# Altium PCB Testkit_v1.PcbDoc
Units mm, origin at the board's own origin, x right, y up, seen from the top; angles counter-clockwise.
Board outline 63 x 76 mm, 2 copper layers (Top Layer, Bottom Layer); 3 components, 28 nets, 206 pads, 68 vias.
Unrouted connection lines stored in the file: 22.
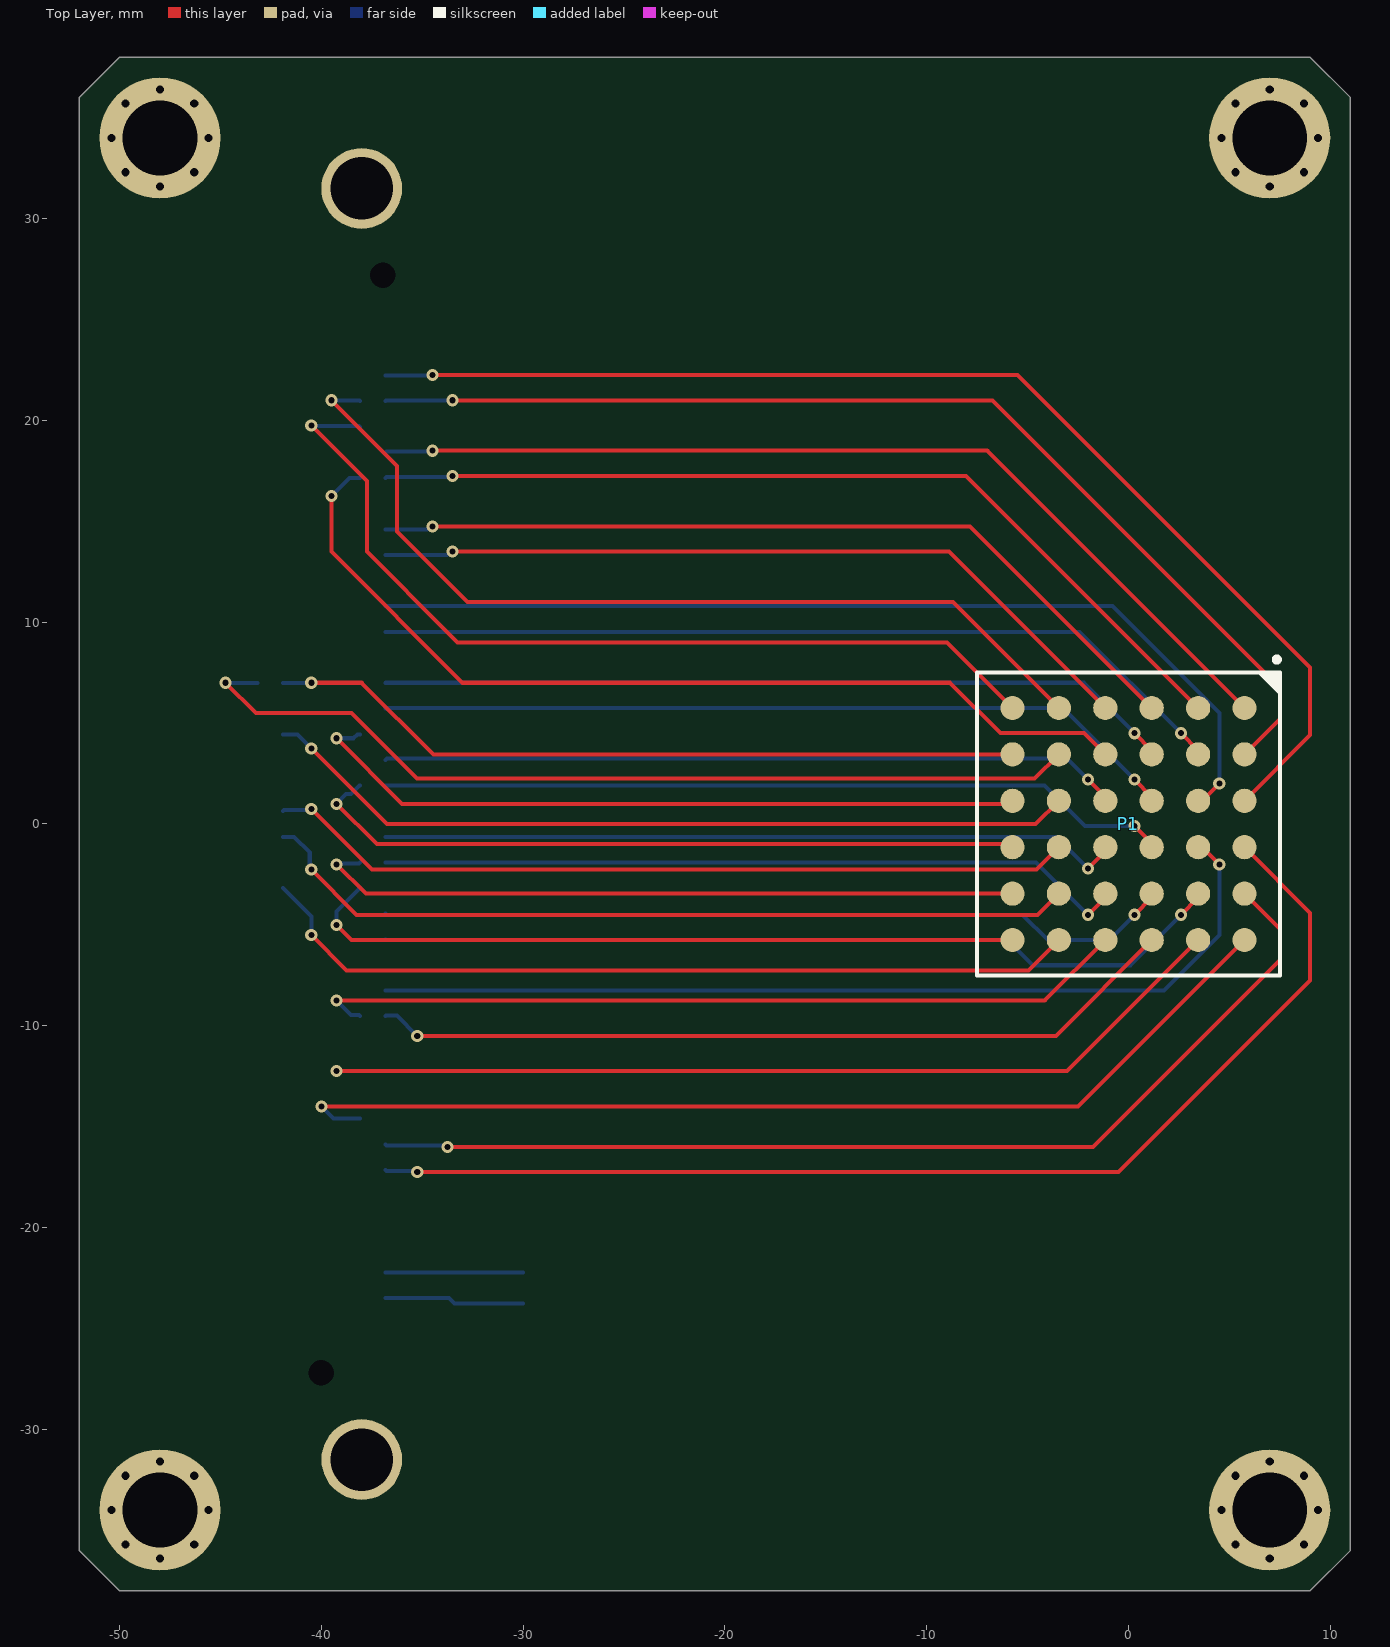
[diagram p0: Top Layer view]
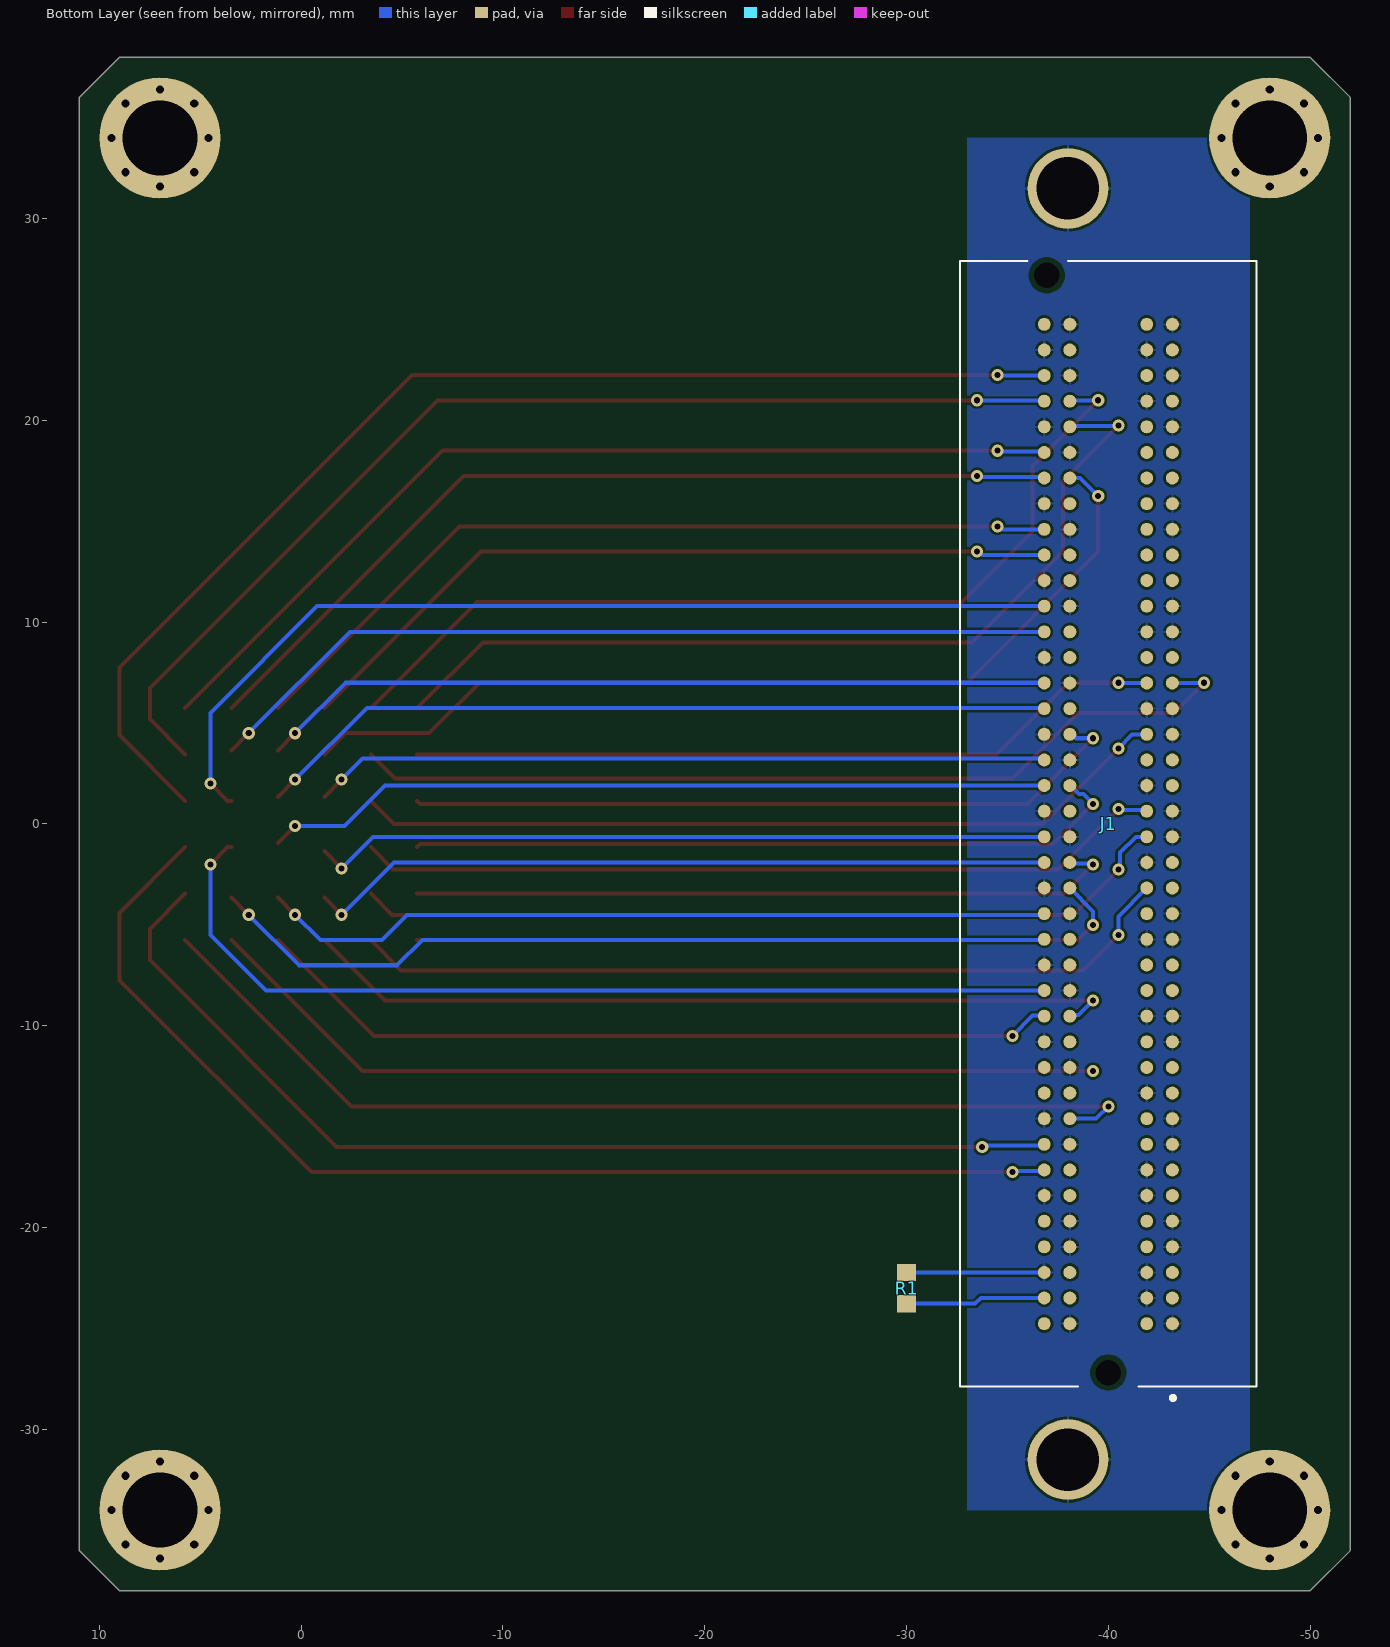
[diagram p1: Bottom Layer view, seen from below]

## Layer stack, top to bottom
Top Solder: solder mask 0.0102, Solder Resist, Dk 3.5
Top Layer: signal copper 0.0356
Dielectric 1: dielectric 0.32, FR-4, Dk 4.8
Bottom Layer: signal copper 0.0356
Bottom Solder: solder mask 0.0102, Solder Resist, Dk 3.5

## Board outline
-52,-36 -50,-38 9,-38 11,-36 11,28.5 11,36 9,38 -50,38 -52,36

## Design rules (kind name [scope] priority, off if disabled: settings)
BoardOutlineClearance [All] p1: gap=0.2 ignorepadtopadclearanceinfootprint=FALSE
Clearance [All] p1: gap=0.127 ignorepadtopadclearanceinfootprint=FALSE except(0.25: Arc-Hole Track-Hole SMDPad-Hole THPad-Hole Via-Hole Fill-Hole Poly-Hole Region-Hole Text-Hole)
ComponentClearance [All] p1: gap=0.127 collisioncheckmode=3 verticalgap=0.127 showdistances=TRUE
DiffPairsRouting [All] p1: maxlimit=0.254 minlimit=0.127 mostfreqgap=0.127 toplayer_minwidth=0.127 toplayer_maxwidth=25.4 toplayer_prefwidth=0.127 bottomlayer_minwidth=0.127 bottomlayer_maxwidth=25.4 bottomlayer_prefwidth=0.127 maxuncoupledlength=12.7
Height [All] p1: minheight=0 maxheight=1816.048 prefheight=12.7
HoleSize [All] p1: absolutevalues=TRUE maxlimit=6.3 minlimit=0.3 maxpercent=80.000 minpercent=20.000
HoleToHoleClearance [All] p1: gap=0.25 allowstackedmicrovias=FALSE
MinimumAnnularRing [All] p1: minimumring=0.076
MinimumSolderMaskSliver [All] p1: minsoldermaskwidth=0
PlaneClearance [All] p1: clearance=0.127
PlaneConnect PlaneConnectPowerPads [InPadClass('PowerPads')] p1: planeconnectstyle=Direct reliefexpansion=0.508 reliefentries=4 reliefconductorwidth=0.254 reliefairgap=0.254
PlaneConnect [All] p2: pad.planeconnectstyle=Relief pad.reliefexpansion=0.3 pad.reliefentries=4 pad.reliefconductorwidth=0.127 pad.reliefairgap=0.127 via.planeconnectstyle=Direct via.reliefexpansion=0.3 via.reliefentries=4 via.reliefconductorwidth=0.127 via.reliefairgap=0.127
PolygonConnect PolygonConnectPowerPads [All vs (InPadClass('PowerPads'))] p1: connectstyle=Direct reliefconductorwidth=0.254 reliefentries=4 polygonreliefangle="90 Angle" airgapwidth=0.254
PolygonConnect [All] p2: thpad.connectstyle=Relief thpad.reliefconductorwidth=0.127 thpad.reliefentries=4 thpad.polygonreliefangle="90 Angle" thpad.airgapwidth=0.127 smdpad.connectstyle=Relief smdpad.reliefconductorwidth=0.127 smdpad.reliefentries=4 smdpad.polygonreliefangle="90 Angle" smdpad.airgapwidth=0.127 via.connectstyle=Relief via.reliefconductorwidth=2 via.reliefentries=4 via.polygonreliefangle="90 Angle" via.airgapwidth=2
RoutingVias [All] p1: holewidth=0.3 width=0.6 viastyle="Through Hole" minholewidth=0.3 minwidth=0.6 maxholewidth=0.6 maxwidth=6.6
SilkToSilkClearance [All] p1: silktosilkclearance=0
SilkToSolderMaskClearance [IsPad] p1: minsilkscreentomaskgap=0.127 clearancetoexposedcopper=TRUE
SolderMaskExpansion [All] p1: expansion=0.075 istentingtop=FALSE
Width [All] p1: maxlimit=25.4 minlimit=0.127 preferedwidth=0.127 minimp=50.000000 maximp=50.000000 favimp=50.000000
20 further rules are at their usual default settings.

## Components (designator, comment, footprint, x,y, rotation, side; value= is the part's Value field where it differs from the comment)
J1 "ASP-134604-01" ASP13460401 -40,0 r270 bottom
P1 "6 by 6 BGA" "BGA36C230P6X6_1500X1500X190 - Interposer" 0,0 r270 top
R1 "0 | inf" RES_0603 -30,-23 r90 bottom value="0 [] inf"

## Footprints (in the part's own frame and the unit in brackets; to place one, negate y for a bottom-side part, rotate by r counter-clockwise, add the part's x,y. Pads: shape width x height; smd on the part's side, far side on the other; paste and mask are expansions set on the pad)
ASP13460401 [mm] "Board to Board & FPGA Mezzanine Connectors [LPC - Type \"ASP\"]"
  round 0.64 smd: C1(24.765,3.175) C2(23.495,3.175) C3(22.225,3.175) C4(20.955,3.175) C5(19.685,3.175) C6(18.415,3.175) C7(17.145,3.175) C8(15.875,3.175) C9(14.605,3.175) C10(13.335,3.175) C11(12.065,3.175) C12(10.795,3.175) C13(9.525,3.175) C14(8.255,3.175) C15(6.985,3.175) C16(5.715,3.175) C17(4.445,3.175) C18(3.175,3.175) C19(1.905,3.175) C20(0.635,3.175) C21(-0.635,3.175) C22(-1.905,3.175) C23(-3.175,3.175) C24(-4.445,3.175) C25(-5.715,3.175) C26(-6.985,3.175) C27(-8.255,3.175) C28(-9.525,3.175) C29(-10.795,3.175) C30(-12.065,3.175) C31(-13.335,3.175) C32(-14.605,3.175) C33(-15.875,3.175) C34(-17.145,3.175) C35(-18.415,3.175) C36(-19.685,3.175) C37(-20.955,3.175) C38(-22.225,3.175) C39(-23.495,3.175) C40(-24.765,3.175) D1(24.765,1.905) D2(23.495,1.905) D3(22.225,1.905) D4(20.955,1.905) D5(19.685,1.905) D6(18.415,1.905) D7(17.145,1.905) D8(15.875,1.905) D9(14.605,1.905) D10(13.335,1.905) D11(12.065,1.905) D12(10.795,1.905) D13(9.525,1.905) D14(8.255,1.905) D15(6.985,1.905) D16(5.715,1.905) D17(4.445,1.905) D18(3.175,1.905) D19(1.905,1.905) D20(0.635,1.905) D21(-0.635,1.905) D22(-1.905,1.905) D23(-3.175,1.905) D24(-4.445,1.905) D25(-5.715,1.905) D26(-6.985,1.905) D27(-8.255,1.905) D28(-9.525,1.905) D29(-10.795,1.905) D30(-12.065,1.905) D31(-13.335,1.905) D32(-14.605,1.905) D33(-15.875,1.905) D34(-17.145,1.905) D35(-18.415,1.905) D36(-19.685,1.905) D37(-20.955,1.905) D38(-22.225,1.905) D39(-23.495,1.905) D40(-24.765,1.905) G1(24.765,-1.905) G2(23.495,-1.905) G3(22.225,-1.905) G4(20.955,-1.905) G5(19.685,-1.905) G6(18.415,-1.905) G7(17.145,-1.905) G8(15.875,-1.905) G9(14.605,-1.905) G10(13.335,-1.905) G11(12.065,-1.905) G12(10.795,-1.905) G13(9.525,-1.905) G14(8.255,-1.905) G15(6.985,-1.905) G16(5.715,-1.905) G17(4.445,-1.905) G18(3.175,-1.905) G19(1.905,-1.905) G20(0.635,-1.905) G21(-0.635,-1.905) G22(-1.905,-1.905) G23(-3.175,-1.905) G24(-4.445,-1.905) G25(-5.715,-1.905) G26(-6.985,-1.905) G27(-8.255,-1.905) G28(-9.525,-1.905) G29(-10.795,-1.905) G30(-12.065,-1.905) G31(-13.335,-1.905) G32(-14.605,-1.905) G33(-15.875,-1.905) G34(-17.145,-1.905) G35(-18.415,-1.905) G36(-19.685,-1.905) G37(-20.955,-1.905) G38(-22.225,-1.905) G39(-23.495,-1.905) G40(-24.765,-1.905) H1(24.765,-3.175) H2(23.495,-3.175) H3(22.225,-3.175) H4(20.955,-3.175) H5(19.685,-3.175) H6(18.415,-3.175) H7(17.145,-3.175) H8(15.875,-3.175) H9(14.605,-3.175) H10(13.335,-3.175) H11(12.065,-3.175) H12(10.795,-3.175) H13(9.525,-3.175) H14(8.255,-3.175) H15(6.985,-3.175) H16(5.715,-3.175) H17(4.445,-3.175) H18(3.175,-3.175) H19(1.905,-3.175) H20(0.635,-3.175) H21(-0.635,-3.175) H22(-1.905,-3.175) H23(-3.175,-3.175) H24(-4.445,-3.175) H25(-5.715,-3.175) H26(-6.985,-3.175) H27(-8.255,-3.175) H28(-9.525,-3.175) H29(-10.795,-3.175) H30(-12.065,-3.175) H31(-13.335,-3.175) H32(-14.605,-3.175) H33(-15.875,-3.175) H34(-17.145,-3.175) H35(-18.415,-3.175) H36(-19.685,-3.175) H37(-20.955,-3.175) H38(-22.225,-3.175) H39(-23.495,-3.175) H40(-24.765,-3.175)
  round 0.635 hole 1.27 unplated: MH1(27.189,0) MH2(-27.191,-3.05)
  round 4 hole 3.1 mask+0.102: MH3(31.5,-2) MH4(-31.5,-2)
  silkscreen extent -27.89,-7.34 28.54,7.34, body extent -27.89,-7.34 28.78,7.34, height 7.11
"BGA36C230P6X6_1500X1500X190 - Interposer" [mm] "BGA, 36-Leads, Body 15,00x15,00mmx1,90mm, Pitch 2,30mm"
  round 1.2 smd: A1(-5.75,5.75) A2(-3.45,5.75) A3(-1.15,5.75) A4(1.15,5.75) A5(3.45,5.75) A6(5.75,5.75) B1(-5.75,3.45) B2(-3.45,3.45) B3(-1.15,3.45) B4(1.15,3.45) B5(3.45,3.45) B6(5.75,3.45) C1(-5.75,1.15) C2(-3.45,1.15) C3(-1.15,1.15) C4(1.15,1.15) C5(3.45,1.15) C6(5.75,1.15) D1(-5.75,-1.15) D2(-3.45,-1.15) D3(-1.15,-1.15) D4(1.15,-1.15) D5(3.45,-1.15) D6(5.75,-1.15) E1(-5.75,-3.45) E2(-3.45,-3.45) E3(-1.15,-3.45) E4(1.15,-3.45) E5(3.45,-3.45) E6(5.75,-3.45) F1(-5.75,-5.75) F2(-3.45,-5.75) F3(-1.15,-5.75) F4(1.15,-5.75) F5(3.45,-5.75) F6(5.75,-5.75)
  silkscreen extent -8.27,-7.5 7.5,7.5, body extent -7.5,-7.5 7.5,7.5, height 1.9
RES_0603 [mm] "Chip Resistor, 2-Leads, Body 1,60x0,83mm, IPC Medium Density"
  rect 0.85x0.95 smd: 1(-0.775,0) 2(0.775,0)
  body extent -0.85,-0.48 0.85,0.48, height 0.6

## Part data
J1: "Board to Board & FPGA Mezzanine Connector [LPC - \"ASP\"]"
P1: library part BGA_6x6
R1: library part Res

## Free pads (board coordinates)
  round 6 hole 3.7 mask+0.102: 0(-48,-34) 0(-48,34) 0(7,-34) 0(7,34)

## Via types
v1: diameter 0.6, hole 0.3, Top Layer to Bottom Layer, 36 vias
v2: diameter 0.8, hole 0.4, Top Layer to Bottom Layer, tented both sides, 32 vias

## Nets (pads, with @x,y where several pads share a name; then routed paths per layer and width w, separated by ;. In a path a pad name is that pad's centre, name@x,y a point inside that pad or via, vN(x,y) a via of type N, cw(c..) or ccw(c..) an arc to the next point about the centre after c; other vN are vias at no path point)
+3V3: J1.G12 J1.H34 P1.B1 P1.B6 | length 90.5
  Top Layer w0.2: v1(-39.25,-12.25) -3.05,-12.25 P1.B6 ; v1(-33.5,17.25) -8.05,17.25 P1.B1
  Bottom Layer w0.2: J1.H34 -36.772,17.197 -33.553,17.197 v1(-33.5,17.25)
+3V3_FMC: J1.C39 J1.D32 J1.D36 J1.D38 J1.D40
+3V3_IC: J1.D18 J1.D20 J1.D21 J1.D24 P1.E3 P1.E4 P1.E5 P1.E6 | length 163.2
  Top Layer w0.2: v1(-40.5,-5.5) -38.75,-7.25 -4.95,-7.25 P1.E6 ; v1(-40.5,-2.25) -38.25,-4.5 -4.5,-4.5 P1.E5 ; v1(-40.5,0.75) -37.5,-2.25 -4.55,-2.25 P1.E4 ; v1(-40.5,3.75) -36.75,0 -4.6,0 P1.E3
  Bottom Layer w0.2: J1.D18 -40.5,-4.58 v1(-40.5,-5.5) ; J1.D20 -41.365,-0.635 -40.577,-1.423 -40.577,-2.173 v1(-40.5,-2.25) ; J1.D21 -41.847,0.693 -40.558,0.693 v1(-40.5,0.75) ; J1.D24 -41.887,4.427 -41.177,4.427 v1(-40.5,3.75)
+12V_FMC: J1.C35 J1.C37
+50V: J1.G13 J1.H13 J1.H31 J1.H32 P1.C1 P1.C6 P1.D1 P1.D6 | length 161.9
  Top Layer w0.2: v1(-39.25,-8.75) -4.15,-8.75 P1.D6 ; v1(-35.25,-10.5) -3.6,-10.5 P1.C6 ; v1(-34.5,14.75) -7.85,14.75 P1.C1 ; v1(-33.5,13.5) -8.9,13.5 P1.D1
  Bottom Layer w0.2: v1(-39.25,-8.75) -38.523,-9.477 -38.143,-9.477 J1.G13 ; J1.H13 -36.8,-9.5 -36.25,-9.5 v1(-35.25,-10.5) ; J1.H31 -33.773,13.335 -33.608,13.5 v1(-33.5,13.5) ; J1.H32 -34.753,14.605 -34.608,14.75 v1(-34.5,14.75)
FREF: J1.D26 P1.F2 | length 37.6
  Top Layer w0.2: v1(-40.5,7) -38,7 -34.45,3.45 P1.F2
  Bottom Layer w0.2: J1.D26 -41.897,6.993 -40.508,6.993 v1(-40.5,7)
GND: J1.C1 J1.C4 J1.C5 J1.C8 J1.C9 J1.C12 J1.C13 J1.C16 J1.C17 J1.C20 J1.C21 J1.C24 J1.C25 J1.C28 J1.C29 J1.C32 J1.C33 J1.C36 J1.C38 J1.C40 J1.D2 J1.D3 J1.D6 J1.D7 J1.D10 J1.D13 J1.D16 J1.D19 J1.D22 J1.D25 J1.D28 J1.D37 J1.D39 J1.G1 J1.G4 J1.G5 J1.G8 J1.G11 J1.G14 J1.G17 J1.G20 J1.G23 J1.G26 J1.G29 J1.G32 J1.G35 J1.G38 J1.G40 J1.H3 J1.H6 J1.H9 J1.H12 J1.H15 J1.H18 J1.H21 J1.H24 J1.H27 J1.H30 J1.H33 J1.H36 J1.H39 J1.MH3 J1.MH4 R1.2 | length 6.8
  Bottom Layer w0.2: J1.H3 R1.2
GND_INTERPOSER: J1.H17 J1.H19 J1.H20 J1.H22 J1.H23 J1.H25 P1.C3 P1.C4 P1.C5 P1.D3 P1.D4 P1.D5 | length 228.6
  Top Layer w0.2: v1(-2,-4.5) P1.D5@-1.15,-3.65 ; v1(-2,-2.2) P1.D4@-1.15,-1.35 ; v1(-2,2.2) P1.D3@-1.15,1.35 ; v1(0.3,-4.5) P1.C5@1.15,-3.65 ; v1(0.3,-0.1) P1.C4@1.15,-0.95 ; v1(0.3,2.2) P1.C3@1.15,1.35
  Bottom Layer w0.2: J1.H17 -36.77,-4.5 -5.25,-4.5 -4,-5.75 -0.95,-5.75 v1(0.3,-4.5) ; J1.H19 -4.595,-1.905 v1(-2,-4.5) ; J1.H20 -3.565,-0.635 v1(-2,-2.2) ; J1.H22 -4.155,1.905 -2.15,-0.1 v1(0.3,-0.1) ; J1.H23 -36.75,3.25 -3.05,3.25 v1(-2,2.2) ; J1.H25 -36.79,5.75 -3.25,5.75 v1(0.3,2.2)
I_N: J1.G22 P1.F4 | length 35.9
  Top Layer w0.2: v1(-39.25,1) -37.25,-1 -5.9,-1 P1.F4
  Bottom Layer w0.2: v1(-39.25,1) -38.774,1.476 -38.543,1.476 -38.113,1.905 J1.G22
I_P: J1.G24 P1.F3 | length 36.1
  Top Layer w0.2: v1(-39.25,4.25) -36,1 -5.9,1 P1.F3
  Bottom Layer w0.2: v1(-39.25,4.25) -38.409,4.25 -38.214,4.445 J1.G24
LNA_N: J1.H7 P1.A4 | length 57.7
  Top Layer w0.2: v1(-35.25,-17.25) -0.5,-17.25 9,-7.75 9,-4.4 P1.A4
  Bottom Layer w0.2: J1.H7 -36.772,-17.197 -35.303,-17.197 v1(-35.25,-17.25)
LNA_P: J1.H38 P1.A3 | length 59.8
  Top Layer w0.2: v1(-34.5,22.25) -5.5,22.25 9,7.75 9,4.4 P1.A3
  Bottom Layer w0.2: J1.H38 -36.812,22.237 -34.513,22.237 v1(-34.5,22.25)
NetJ1_H2: J1.H2 R1.1 | length 6.9
  Bottom Layer w0.2: J1.H2 -33.68,-23.495 -33.4,-23.775 R1.1
Q_N: J1.G18 P1.F6 | length 36.1
  Top Layer w0.2: v1(-39.25,-5) -38.5,-5.75 P1.F6
  Bottom Layer w0.2: v1(-39.25,-5) -39.25,-4.33 J1.G18
Q_P: J1.G19 P1.F5 | length 35.3
  Top Layer w0.2: v1(-39.25,-2) -37.8,-3.45 P1.F5
  Bottom Layer w0.2: v1(-39.25,-2) -39.202,-1.953 -38.142,-1.953 J1.G19
RX: J1.G36 P1.F1 | length 45
  Top Layer w0.2: v1(-40.5,19.75) -37.75,17 -37.75,13.5 -33.75,9.5 -33.25,9 -9,9 P1.F1
  Bottom Layer w0.2: v1(-40.5,19.75) -40.467,19.717 -38.127,19.717 J1.G36
SPI_C\S\: J1.C26 P1.E2 | length 45.3
  Top Layer w0.2: v1(-44.75,7) -43.25,5.5 -38.5,5.5 -35.25,2.25 -4.65,2.25 P1.E2
  Bottom Layer w0.2: v1(-44.75,7) -44.742,6.993 -43.182,6.993 J1.C26
SPI_CLK: J1.G34 P1.D2 | length 47
  Top Layer w0.2: v1(-39.5,16.25) -39.5,13.5 -33,7 -8.838,7 -6.338,4.5 -2.2,4.5 P1.D2
  Bottom Layer w0.2: v1(-39.5,16.25) -38.605,17.145 J1.G34
SPI_DATA: J1.H26 P1.C2 | length 39.4
  Top Layer w0.2: v1(0.3,4.5) P1.C2@1.15,3.65
  Bottom Layer w0.2: J1.H26 -36.81,7 -2.2,7 v1(0.3,4.5)
TX: J1.G37 P1.E1 | length 45.7
  Top Layer w0.2: v1(-39.5,21) -36.25,17.75 -36.25,14.5 -32.75,11 -8.7,11 P1.E1
  Bottom Layer w0.2: v1(-39.5,21) -39.477,20.977 -38.117,20.977 J1.G37
TX_OUT_N: J1.C18 J1.H8 J1.H16 P1.A5 P1.B5 | length 94.4
  Top Layer w0.2: v1(-33.75,-16) -1.75,-16 7.5,-6.75 7.5,-5.2 P1.A5 ; v1(2.6,-4.5) P1.B5@3.45,-3.65
  Bottom Layer w0.2: J1.H8 -36.762,-15.937 -33.813,-15.937 v1(-33.75,-16) ; J1.H16 -36.79,-5.75 -6,-5.75 -4.75,-7 0.1,-7 v1(2.6,-4.5)
TX_OUT_P: J1.H28 J1.H37 P1.A2 P1.B2 | length 97
  Top Layer w0.2: v1(-33.5,21) -6.75,21 7.5,6.75 7.5,5.2 P1.A2 ; v1(2.6,4.5) P1.B2@3.45,3.65
  Bottom Layer w0.2: J1.H28 -2.425,9.525 v1(2.6,4.5) ; J1.H37 -36.802,20.977 -33.523,20.977 v1(-33.5,21)
VADJ_FMC: J1.G39 J1.H40
VADJ_FMC_PGOOD: J1.D1
VDD_HS_extdiode_N: J1.G9 P1.A6 | length 51.3
  Top Layer w0.2: v1(-40,-14) -2.5,-14 P1.A6
  Bottom Layer w0.2: v1(-40,-14) -39.395,-14.605 J1.G9
VDD_HS_extdiode_P: J1.H35 P1.A1 | length 47.9
  Top Layer w0.2: v1(-34.5,18.5) -7,18.5 P1.A1
  Bottom Layer w0.2: J1.H35 -36.782,18.457 -34.543,18.457 v1(-34.5,18.5)
VDD_LS_N: J1.H14 P1.B4 | length 47.4
  Top Layer w0.2: P1.B4 3.65,-1.15 v1(4.5,-2)
  Bottom Layer w0.2: J1.H14 -36.82,-8.25 1.75,-8.25 4.5,-5.5 v1(4.5,-2) v1@4.453,-1.953
VDD_LS_P: J1.H29 P1.B3 | length 48.4
  Top Layer w0.2: P1.B3 3.65,1.15 v1(4.5,2)
  Bottom Layer w0.2: J1.H29 -0.795,10.795 4.5,5.5 v1(4.5,2)
pads on no net: J1.C2 J1.C3 J1.C6 J1.C7 J1.C10 J1.C11 J1.C14 J1.C15 J1.C19 J1.C22 J1.C23 J1.C27 J1.C30 J1.C31 J1.C34 J1.D4 J1.D5 J1.D8 J1.D9 J1.D11 J1.D12 J1.D14 J1.D15 J1.D17 J1.D23 J1.D27 J1.D29 J1.D30 J1.D31 J1.D33 J1.D34 J1.D35 J1.G2 J1.G3 J1.G6 J1.G7 J1.G10 J1.G15 J1.G16 J1.G21 J1.G25 J1.G27 J1.G28 J1.G30 J1.G31 J1.G33 J1.H1 J1.H4 J1.H5 J1.H10 J1.H11 J1.MH1 J1.MH2
copper on no net:
  other v2: -48,-36.4 7,-36.4 -49.7,-35.7 -46.3,-35.7 5.3,-35.7 8.7,-35.7 -50.4,-34 -45.6,-34 4.6,-34 9.4,-34 -49.7,-32.3 -46.3,-32.3 5.3,-32.3 8.7,-32.3 -48,-31.6 7,-31.6 -48,31.6 7,31.6 -49.7,32.3 -46.3,32.3 5.3,32.3 8.7,32.3 -50.4,34 -45.6,34 4.6,34 9.4,34 -49.7,35.7 -46.3,35.7 5.3,35.7 8.7,35.7 -48,36.4 7,36.4

## Polygon pours and split planes (outlines as drawn)
GND on Bottom Layer "NONET_L-01_P-001" (solid, pour order 0): -47,34 -33,34 -33,-34 -47,-34

## Silkscreen, mask and mechanical layers (free items; w line width, h text height)
Outline:
  lines w0.1: -52,-36 -52,36 -50,38 -27,38 9,38 11,36 11,28.5 11,-36 9,-38 -50,-38 -52,-36